# KiCad board Lon6Main.kicad_pcb (continued)
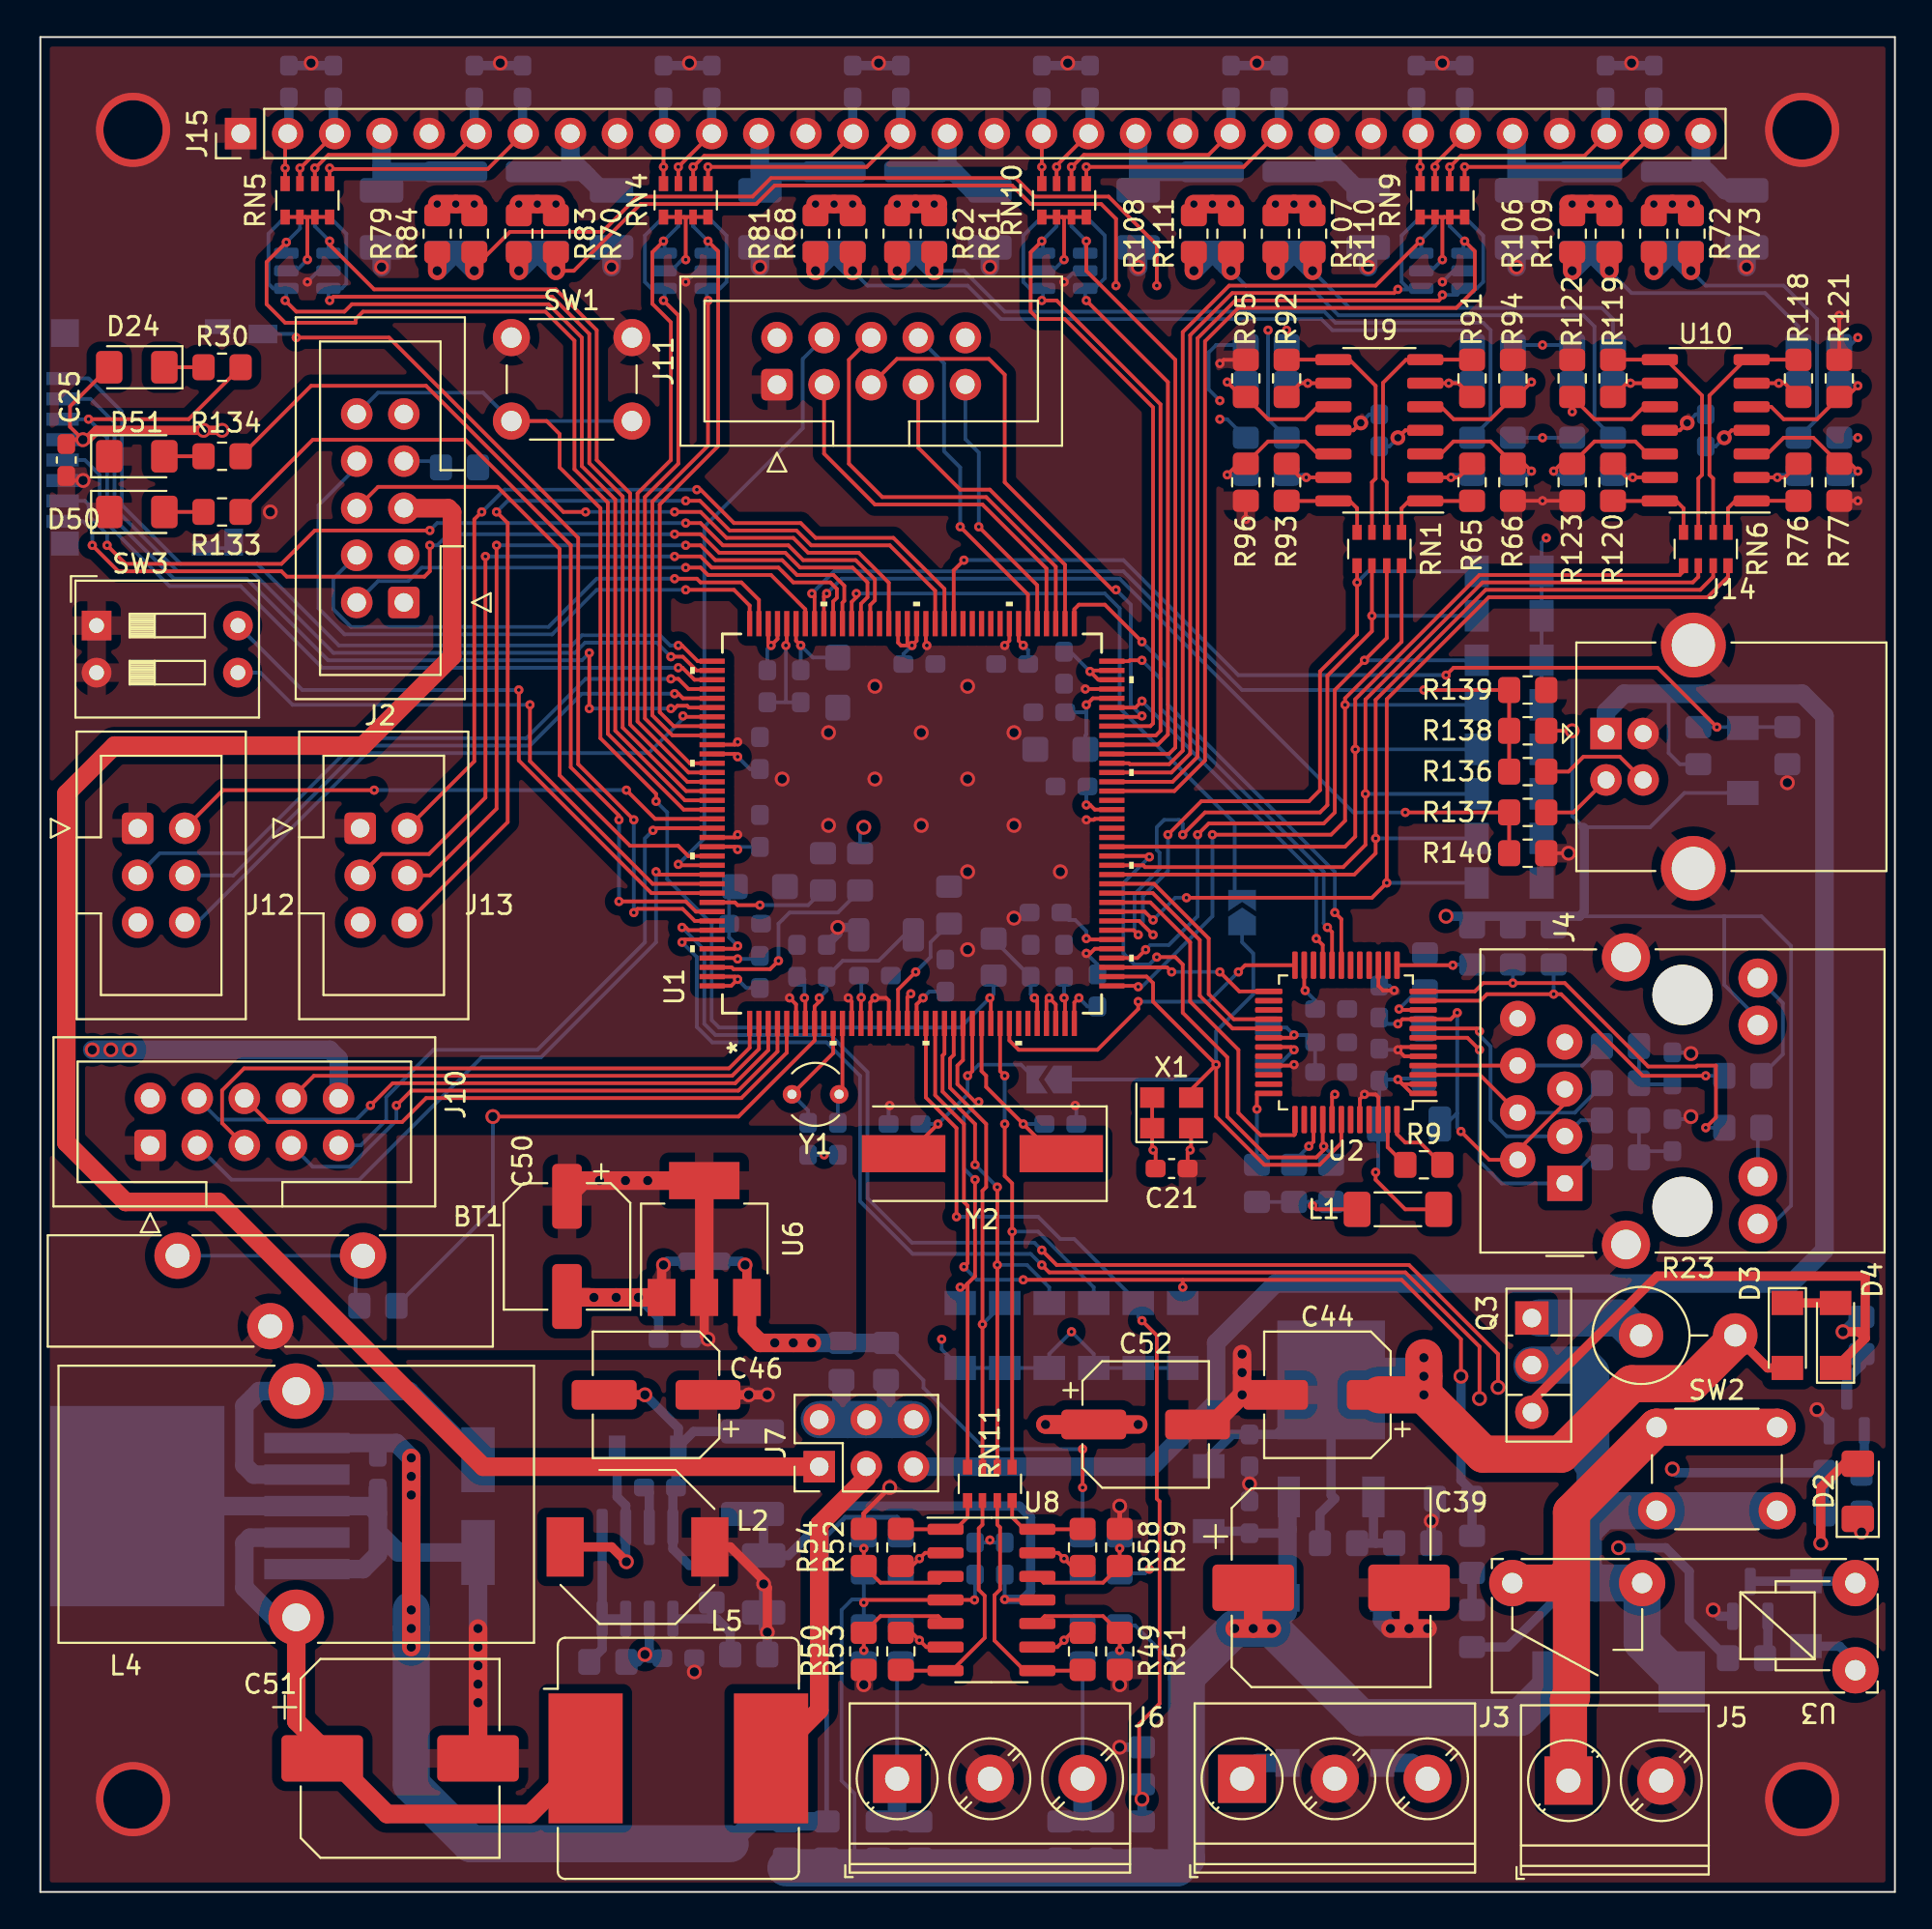
[diagram p0: board, top side]
## Routing (per net, layer and track width the routed paths; a pad name or vN(x,y) marks a point on that pad's centre or on a via; arc(x,y) is an arc through that point) (continued)
/C_SENSE_PORT2: length 49.3
  Top w0.2: U1.50 59.47,55.35 59.57,55.25 70.25,55.25 71.45,56.45 v1(71.45,59.2) 71.45,64.28 77.77,70.6 89.1,70.6 89.4,70.9 RN6.6
  Bottom w0.2: D16.2 v1(71.45,59.2)
/C_SENSE_PORT3: length 48.2
  Top w0.2: RN6.5 88.6,71.2 88.4,71 77.6,71 70.9,64.3 v1(70.9,61.6) 70.9,56.9 70.35,56.35 U1.52
  Bottom w0.2: v1(70.9,61.6) D17.2
/C_SENSE_PORT4: length 41
  Top w0.2: v1(59.2,48.8) 59.15,48.85 U1.37 ; RN1.8 73.4,67.4 70.35,64.35 v1(70.35,64) 70.35,57.75 69.6,57 v1(63.2,57)
  Bottom w0.2: D10.2 v1(70.35,64) ; v1(59.2,48.8) 59.4,48.8 63.2,52.6 v1(63.2,57)
/C_SENSE_PORT5: length 38.4
  Top w0.2: v1(62.4,57) 63,57.6 69.2,57.6 69.8,58.2 69.8,64.8 72.6,67.6 RN1.7 ; v1(59.6,50.8) 59.15,50.35 U1.40
  Bottom w0.2: D11.2 v1(71.4,66.4) ; v1(59.6,50.8) 59.85,51.05 60.85,51.05 62.4,52.6 v1(62.4,57)
/C_SENSE_PORT6: length 38.3
  Top w0.2: v1(59.2,51.6) 58.95,51.85 U1.43 ; RN1.6 71.8,67.97 69.4,65.57 69.4,58.6 69,58.2 62.8,58.2 v1(61.6,57)
  Bottom w0.2: v1(61.6,57) 61.6,57.6 61.4,57.8 60.6,57.8 60.2,57.4 60.2,56.18 60.35,56.03 60.35,55.15 59,53.8 59,51.8 v1(59.2,51.6) ; D12.2 v1(71.8,68.8)
/C_SENSE_PORT7: length 37.5
  Top w0.2: U1.44 59.25,52.35 v1(60,51.6) ; RN1.5 71,67.8 69,65.8 69,59.4 68.4,58.8 62.6,58.8 v1(60.8,57)
  Bottom w0.2: v1(71,70.6) 71.6,71.2 D13.2 ; v1(60,51.6) 59.45,52.15 59.45,53.68 60.8,55.03 v1(60.8,57)
/CAN_RX: length 35.6
  Top w0.2: v1(34,65.4) 34.4,65.4 34.95,64.85 U1.112
  Bottom w0.2: v1(34,65.4) 29.4,65.4 26.2,62.2 17.2,62.2 11,56 6.44,56 J12.3
/CAN_TX: length 32.6
  Top w0.2: U1.113 34.65,64.35 34.4,64.6 v1(34.2,64.6)
  Bottom w0.2: J12.4 10.39,54.81 10.4,54.8 17.4,61.8 26.4,61.8 29.2,64.6 v1(34.2,64.6)
/CAN_U1: length 33.3
  Top w0.2: U1.115 34.65,63.35 34.6,63.4 v1(34.65,63.4)
  Bottom w0.2: v1(34.65,63.4) 34.65,63.25 32.8,61.4 17.6,61.4 8.47,52.27 J12.6
/CAN_U2: length 29.9
  Top w0.2: U1.126 33.15,57.85 v1(31.6,59.4) ; v1(18,59.4) 9.84,59.4 J12.2
  Bottom w0.2: v1(31.6,59.4) v1(18,59.4)
/CLK_50MHZ: length 40
  Top w0.2: X1.3 62.05,43.25 v1(63.4,44.6) ; U1.38 57.78,49.35 59.65,49.35 60,49 60,48 v1(63.4,44.6) ; v1(63.4,44.6) 63.4,41.8 66,39.2 68.98,39.2 70.15,40.37 U2.42
  Bottom w0.2: JP2.1 62.6,43.8 v1(63.4,44.6) 63.4,46.4 65.4,48.4 65.4,50.6 64.8,51.2 JP1.1
/ETH_CRS_DV: length 19.7
  Top w0.2: U1.46 59.85,53.35 62,51.2 62,48 64.6,45.4 64.6,42 65.8,40.8 67.6,40.8 67.65,40.85 U2.37
/ETH_MDC: length 18.7
  Top w0.2: v1(59.2,48) 59.2,47.6 57,45.4 52.76,45.4 52.25,45.91 U1.29 ; U2.24 64.96,49.96 v1(64.6,49.6)
  Bottom w0.2: v1(64.6,49.6) 63,48 v1(59.2,48)
/ETH_MDIO: length 9
  Top w0.2: U1.39 60.75,49.85 v1(61,49.6) ; U2.25 64.65,48.55 v1(63.6,49.6)
  Bottom w0.2: v1(61,49.6) v1(63.6,49.6)
/ETH_RESET: length 29.9
  Top w0.2: U1.51 59.75,55.85 v1(59.8,55.8) ; v1(60.2,50.4) 61.2,50.4 61.6,50 61.6,47.4 64,45 64,41.8 66.2,39.6 68.8,39.6 69.2,40 v1(69.2,40.2) 69.15,40.25 U2.40
  Bottom w0.2: v1(69.2,40.2) 69.6,39.8 R6.2 ; v1(59.8,55.8) 58.4,54.4 58.4,50.6 59,50 59.8,50 v1(60.2,50.4)
/ETH_RXD0: length 13.2
  Top w0.2: U1.47 59.99,53.85 62.52,51.32 62.52,48.32 64.28,46.55 U2.29
/ETH_RXD1: length 13.2
  Top w0.2: U1.48 60.05,54.35 63,51.4 63,48.4 64.35,47.05 U2.28
/ETH_TXD0: length 22.3
  Top w0.2: U1.72 58.69,66.35 58.74,66.4 v1(59.4,66.4) ; v1(69.4,52) 69.65,51.75 U2.20
  Bottom w0.2: v1(59.4,66.4) 60.4,65.4 60.4,63.8 69.2,55 69.2,52.2 v1(69.4,52)
/ETH_TXD1: length 27.2
  Top w0.2: U2.19 70.15,52.45 v1(69.8,52.8) ; U1.73 55.75,69.15 56,69.4 57.4,69.4 v1(59.4,67.4)
  Bottom w0.2: v1(69.8,52.8) 69.8,55 60.8,64 60.8,66 v1(59.4,67.4)
/ETH_TXEN: length 20
  Top w0.2: U1.67 59.05,63.85 v1(59.4,64.2) ; U2.21 69.15,51.05 v1(68.8,51.4)
  Bottom w0.2: v1(59.4,64.2) 68.8,54.8 v1(68.8,51.4)
/Ethernet/L0: length 19.8
  Top w0.2: U2.11 77.65,48.05 78,48.4 v1(81.6,48.4) 82,48.4 86.4,44 v1(89.8,44)
  Bottom w0.2: R33.1 v1(81.6,48.4) ; R13.1 v1(89.8,44)
/Ethernet/L1: length 23.4
  Top w0.2: v1(89.8,41.2) 90.35,41.75 90.35,44.55 89.34,44.55 89.29,44.5 86.7,44.5 82.2,49 v1(79.4,49) 77.8,49 77.35,48.55 U2.12
  Bottom w0.2: R14.1 v1(89.8,41.2) ; R55.1 v1(79.4,49)
/Ethernet/L2: length 4.1
  Top w0.2: U2.13 v1(76.16,49.96)
  Bottom w0.2: R56.1 76.2,50 v1(76.16,49.96)
/Ethernet/RD+: length 11.2
  Top w0.2: U2.3 77.62,44.05 J4.4
  Bottom w0.2: R11.2 84.2,43.47 82.74,42.01 J4.4
/Ethernet/RD-: length 10.1
  Top w0.2: U2.4 J4.6
  Bottom w0.2: J4.6 83.15,44.55 R12.2
/Ethernet/TD+: length 17
  Top w0.2: U2.7 76.95,46.05 v1(77.6,45.4)
  Bottom w0.2: R15.2 83.6,39.6 J4.1 78.8,38.2 77.6,39.4 v1(77.6,45.4)
/Ethernet/TD-: length 14.9
  Top w0.2: U2.8 77.45,46.55 v1(77.6,46.4)
  Bottom w0.2: R16.2 83.06,41.6 J4.3 79.06,40.74 78.2,41.6 78.2,45.58 77.6,46.18 v1(77.6,46.4)
/LED1: length 47.3
  Top w0.2: R133.2 14.69,78.29 22.91,78.29 28.6,72.6 28.6,60.63 31.2,58.03 v1(31.2,57.8) ; U1.136 35.35,52.85 34.8,53.4 v1(31.2,53.4)
  Bottom w0.2: v1(31.2,57.8) v1(31.2,53.4)
/LED2: length 49.2
  Top w0.2: R134.2 14.6,81.2 20.8,81.2 29,73 29,60.8 v1(32,57.8) ; U1.137 35.29,52.35 34.63,53 32.2,53 v1(32,52.8)
  Bottom w0.2: v1(32,57.8) v1(32,52.8)
/MCO1: length 34.7
  Top w0.2: U1.97 43.75,69.55 44,69.8 v1(44,70)
  Bottom w0.2: JP1.2 64.4,53.92 64.4,57.62 58.2,63.82 58.2,69.2 57.4,70 v1(44,70)
/PIN_CLK0: length 14.7
  Top w0.2: RN9.5 v1(76.8,93) 85.2,93 J15.31
  Bottom w0.2: RN9.5 v1(76.8,93)
  Bottom w0.5: C78.1 J15.31
/PIN_CLK1: length 6.2
  Top w0.2: RN9.7 v1(75.2,93) 75.2,93.16 J15.27
  Bottom w0.2: RN9.7 v1(75.2,93)
  Bottom w0.5: C76.1 76.8,94.84 J15.27
/PIN_CLK2: length 14.8
  Top w0.2: RN10.5 v1(56.4,93) 64.88,93 J15.23
  Bottom w0.2: RN10.5 v1(56.4,93)
  Bottom w0.5: J15.23 66.8,94.92 C69.1
/PIN_CLK3: length 6.3
  Top w0.2: RN10.7 v1(54.8,93) 54.8,93.08 J15.19
  Bottom w0.2: RN10.7 v1(54.8,93)
  Bottom w0.5: C77.1 56.6,94.88 J15.19
/PIN_CLK4: length 14.9
  Top w0.2: RN4.5 v1(36,93) 44.56,93 J15.15
  Bottom w0.2: RN4.5 v1(36,93)
  Bottom w0.5: J15.15 46.4,94.84 C68.1
/PIN_CLK5: length 6.3
  Top w0.2: J15.11 v1(34.4,93) RN4.7
  Bottom w0.2: RN4.7 v1(34.4,93)
  Bottom w0.5: C60.1 J15.11
/PIN_CLK6: length 14.7
  Top w0.2: J15.7 24.13,92.89 15.6,92.89 ; RN5.5 v1(15.6,92.94)
  Bottom w0.2: 15.6,92.24 v1(15.6,92.94)
  Bottom w0.5: J15.7 26,94.84 C56.1
/PIN_CLK7: length 6.2
  Top w0.2: 14,92.92 J15.3 ; RN5.7 v1(14,92.94)
  Bottom w0.2: 14,92.24 v1(14,92.94)
  Bottom w0.5: J15.3 15.8,94.88 C65.1
/PIN_DATA0: length 13
  Top w0.2: J15.30 83.26,93.6 76.6,93.6 v1(76,93) RN9.6
  Bottom w0.2: RN9.6 v1(76,93)
  Bottom w0.5: J15.30 84.4,94.86 C70.1
/PIN_DATA1: length 5.6
  Top w0.2: J15.26 74.4,94.7 v1(74.4,93) RN9.8
  Bottom w0.2: RN9.8 v1(74.4,93)
  Bottom w0.5: C79.1 74.2,94.9 J15.26
/PIN_DATA2: length 13
  Top w0.2: J15.22 62.99,93.65 56.27,93.65 55.62,93 v1(55.6,93) RN10.6
  Bottom w0.2: RN10.6 v1(55.6,93)
  Bottom w0.5: J15.22 64.2,94.86 C75.1
/PIN_DATA3: length 5.6
  Top w0.2: J15.18 54,94.78 v1(54,93) RN10.8
  Bottom w0.2: RN10.8 v1(54,93)
  Bottom w0.5: J15.18 54,94.82 C80.1
/PIN_DATA4: length 13.1
  Top w0.2: RN4.6 v1(35.2,93) 35.8,93.6 42.62,93.6 J15.14
  Bottom w0.2: RN4.6 v1(35.2,93)
  Bottom w0.5: J15.14 43.8,94.82 C57.1
/PIN_DATA5: length 5.6
  Top w0.2: J15.10 33.6,94.74 v1(33.6,93) RN4.8
  Bottom w0.2: RN4.8 v1(33.6,93)
  Bottom w0.5: J15.10 33.6,94.86 C66.1
/PIN_DATA6: length 13
  Top w0.2: RN5.6 v1(14.8,92.94) 14.82,92.94 15.53,93.65 22.35,93.65 J15.6
  Bottom w0.2: 14.8,92.24 v1(14.8,92.94)
  Bottom w0.5: J15.6 23.4,94.9 C59.1
/PIN_DATA7: length 5.5
  Top w0.2: J15.2 13.2,94.66 13.2,92.89 ; RN5.8 v1(13.2,92.94)
  Bottom w0.2: 13.2,92.24 v1(13.2,92.94)
  Bottom w0.5: C67.1 13.4,94.86 J15.2
/PIN_PWR0: length 6.8
  Bottom w1: 90,92.6 89.86,92.74 L7.2 ; 90,92.6 89.54,93.06 J15.32 ; 90,92.6 90.86,91.74 C58.1
/PIN_PWR1: length 7.3
  Bottom w1: C72.1 79.6,93 ; 79.6,93 79.6,94.58 J15.28 ; 79.6,93 79.86,92.74 L11.2
/PIN_PWR2: length 6.9
  Bottom w1: J15.24 69.2,94.78 69.2,93.6 70.1,92.7 ; L12.2 70.06,92.74 70.1,92.7 ; 70.1,92.7 71.06,91.74 C73.1
/PIN_PWR3: length 7.2
  Bottom w1: 59.2,92.6 59.2,94.66 J15.20 ; 59.2,92.6 C74.1 ; 59.2,92.6 59.34,92.74 L13.2
/PIN_PWR4: length 6.7
  Bottom w1: 49.3,92.7 50.26,91.74 C55.1 ; 49.3,92.7 48.9,93.1 J15.16 ; 49.3,92.7 49.26,92.74 L6.2
/PIN_PWR5: length 7.1
  Bottom w1: 38.8,92.8 38.8,94.74 J15.12 ; 38.8,92.8 38.86,92.74 L8.2 ; 38.8,92.8 C62.1
/PIN_PWR6: length 7.1
  Bottom w1: 29.5,92.5 28.58,93.42 J15.8 ; 29.5,92.5 29.26,92.74 L9.2 ; 29.5,92.5 30.26,91.74 C63.1
/PIN_PWR7: length 7.2
  Bottom w1: C64.1 18.4,93 ; 18.4,93 18.66,92.74 L10.2 ; 18.4,93 18.4,94.78 J15.4
/PORT_CLK0: length 48.4
  Top w0.2: v1(75.6,86.1) 75.6,86 75.4,85.8 64.43,85.8 62.4,83.77 62.4,61.2 61.05,59.85 U1.59
  Bottom w0.2: v1(75.6,86.1) 76.39,86.1 U13.3 77.45,86.45 77.8,86.8 77.8,89.3 RN7.5
/PORT_CLK1: length 43.9
  Top w0.2: v1(74.4,89) 72,86.6 64.1,86.6 61.6,84.1 61.6,61.53 60.87,60.8 58.75,60.8 58.69,60.85 U1.61
  Bottom w0.2: RN7.7 75.2,89.8 v1(74.4,89) 74.46,88.94 U13.6
/PORT_CLK2: length 34.2
  Top w0.2: v1(56.4,85.8) 60.8,81.4 60.8,62.4 60.25,61.85 U1.63
  Bottom w0.2: RN8.5 57.4,89.3 57.4,87 56.85,86.45 U14.3 56.34,85.86 v1(56.4,85.8)
/PORT_CLK3: length 34.4
  Top w0.2: v1(54,89) 53.4,88.4 53.4,85.2 53.8,84.8 55.23,84.8 60,80.03 60,63 59.85,62.85 U1.65
  Bottom w0.2: U14.6 54.06,88.94 v1(54,89) 54.8,89.8 RN8.7
/PORT_CLK4: length 33.1
  Top w0.2: U1.117 34.08,62.35 33,63.43 33,74.97 36,77.97 v1(36,85.8)
  Bottom w0.2: RN2.5 37,89.3 37,86.8 36.65,86.45 U11.3 35.94,85.86 v1(36,85.8)
/PORT_CLK5: length 34.8
  Top w0.2: v1(33.6,89) 33,88.4 33,85.62 34,84.62 34,77.2 32.2,75.4 32.2,63.1 34.95,60.35 U1.121
  Bottom w0.2: RN2.7 34.4,89.8 v1(33.6,89) 33.66,88.94 U11.6
/PORT_CLK6: length 48.8
  Top w0.2: U1.123 34.82,59.35 31.4,62.77 31.4,75.23 29.6,77.03 29.6,84 27.6,86 15.8,86 v1(15.6,85.8)
  Bottom w0.2: v1(15.6,85.8) 15.54,85.86 U12.3 16.25,86.45 16.5,86.7 16.5,89.4 RN3.5
/PORT_CLK7: length 53.3
  Top w0.2: v1(13.26,88.94) 12.2,87.88 12.2,85.6 13.2,84.6 17,84.6 17,84.8 17.4,85.2 27.23,85.2 28.8,83.63 28.8,76.7 30.6,74.9 30.6,62.44 34.69,58.35 U1.125
  Bottom w0.2: U12.6 v1(13.26,88.94) 14,89.67 RN3.7
/PORT_DATA0: length 49.2
  Top w0.2: v1(76.8,89) 77.35,88.45 77.35,86.4 76.35,85.4 64.6,85.4 62.8,83.6 62.8,61 61.15,59.35 U1.58
  Bottom w0.2: U13.1 76.74,88.94 v1(76.8,89) 76,89.8 RN7.6
/PORT_DATA1: length 45.8
  Top w0.2: v1(73.2,86.4) 73,86.2 64.27,86.2 62,83.93 62,61.37 60.99,60.35 U1.60
  Bottom w0.2: v1(73.2,86.4) 74.41,86.4 U13.4 73.75,86.45 73.4,86.8 73.4,89.3 RN7.8
/PORT_DATA2: length 35.2
  Top w0.2: v1(56.4,89) 56.4,87.4 61.2,82.6 61.2,61.7 60.85,61.35 U1.62
  Bottom w0.2: U14.1 56.34,88.94 v1(56.4,89) 55.6,89.8 RN8.6
/PORT_DATA3: length 34.8
  Top w0.2: U1.64 60.15,62.35 60.4,62.6 60.4,80.2 54.8,85.8 v1(54,85.8)
  Bottom w0.2: RN8.8 53,89.3 53,86.8 53.35,86.45 U14.4 54.06,85.86 v1(54,85.8)
/PORT_DATA4: length 32.4
  Top w0.2: v1(36,89) 36.55,88.45 36.55,77.95 33.4,74.8 33.4,63.6 34.15,62.85 U1.116
  Bottom w0.2: RN2.6 35.2,89.8 v1(36,89) 35.94,88.94 U11.1
/PORT_DATA5: length 34
  Top w0.2: v1(33.6,85.8) 34.4,85 34.4,77 32.6,75.2 32.6,63.27 35.02,60.85 U1.120
  Bottom w0.2: v1(33.6,85.8) 33.66,85.86 U11.4 32.95,86.45 32.6,86.8 32.6,89.3 RN2.8
/PORT_DATA6: length 46.5
  Top w0.2: v1(15.6,89) 15.6,88.8 18,86.4 27.8,86.4 30,84.2 30,77.2 31.8,75.4 31.8,62.94 34.89,59.85 U1.122
  Bottom w0.2: U12.1 15.54,88.94 v1(15.6,89) 14.8,89.8 RN3.6
/PORT_DATA7: length 51.6
  Top w0.2: v1(13.2,85.8) 13.8,85.2 16.4,85.2 16.8,85.6 27.4,85.6 29.2,83.8 29.2,76.87 31,75.07 31,62.61 34.76,58.85 U1.124
  Bottom w0.2: RN3.8 12.3,89.4 12.3,86.7 12.55,86.45 U12.4 13.26,85.86 v1(13.2,85.8)
/Power/V_MAIN: length 103.6
  Top w0.2: v1(44.4,15.6) 44.54,15.74 U8.4 v1(50.37,15.74)
  Top w1: C39.1 v2(65.4,14.2) ; v2(65.4,14.2) v2(66.4,14.2) ; v2(65.4,14.2) v2(64.4,14.2)
  Bottom w0.2: C53.1 50.4,15.77 v1(50.37,15.74) ; R45.1 44.4,15.77 ; 44.4,15.77 R43.1 ; 44.4,15.77 43.77,15.77 43.2,15.2 43.2,6 43.9,5.3 43.9,1.3 ; 61.8,11.6 59.03,14.37 R17.1
  Bottom w0.5: D6.1 65.09,19.45 C40.1 67.04,19.34 67.25,19.55
  Bottom w1: R40.1 40.2,1.3 ; 42.5,1.3 42.5,1.7 R39.1 ; v2(66.4,14.2) 67.25,15.05 D5.1 67.25,21.23 U4.3 ; R36.2 45.2,1.4 45.3,1.3
  Bottom w2: 40.2,1.3 61.3,1.3 61.8,1.8 61.8,11.6 v2(64.4,14.2) v2(66.4,14.2) 71.2,9.4 79.78,9.4 D7.1
/PWR_ACU_ENA: length 84.6
  Top w0.2: U1.139 34.75,51.35 v1(34.6,51.2) ; v1(54,33.8) 54.4,33.4 73.6,33.4 77.6,29.4 v2(77.6,26.6)
  In1.Cu w0.5: v2(77.6,26.6) 77.6,24.6 83.65,18.56 v2(85.1,18.56)
  Bottom w0.2: v1(54,33.8) 53.4,34.4 47.03,34.4 44.2,37.23 44.2,44 42.4,45.8 36.23,45.8 35.4,46.63 35.4,50.4 v1(34.6,51.2)
  Bottom w0.5: R19.2 90.95,12.6 88.91,14.64 88.91,17.28 87.64,18.56 v2(85.1,18.56)
/PWR_ACU_LOAD: length 86.1
  Top w0.2: v1(34.6,52) 34.8,52 34.95,51.85 U1.138 ; v1(54,34.6) 54.8,33.8 73.8,33.8 78.6,29 v2(78.6,27.2)
  In1.Cu w0.5: v2(78.6,27.2) 78.6,25.4 81.2,22.8 v2(88,22.8)
  Bottom w0.2: v1(34.6,52) 35.8,50.8 35.8,46.8 36.4,46.2 42.6,46.2 44.6,44.2 44.6,37.4 47,35 53.6,35 v1(54,34.6)
  Bottom w0.5: v2(88,22.8) 88.2,22.6 R20.2 R21.1
/RESET: length 72.3
  Top w0.2: v1(51.2,48.2) 51.25,48.15 U1.27 ; SW1.2 27.3,79.3 28,78.6 28,76.8 30.2,74.6 30.2,62.2 33.2,59.2 v1(33.2,58.8)
  Bottom w0.2: R1.2 51.4,48.4 v1(51.2,48.2) 49.6,46.6 36.6,46.6 36.2,47 36.2,52.2 33.8,54.6 33.8,58.2 v1(33.2,58.8) ; J2.10 18.21,80.83 23.87,80.83 SW1.2 SW1.2
/SD_CLK: length 41.1
  Top w0.2: v1(34.4,66) 34.62,66 35.27,65.35 U1.111
  Bottom w0.2: v1(34.4,66) 15.2,66 10.8,70.4 6.97,70.4 3.2,74.17 3.2,76.4 2.41,77.19 1.66,77.19 1.44,76.97
/SD_CMD: length 55.2
  Top w0.2: v1(34,63.8) 34.2,63.8 34.35,63.95 34.88,63.95 34.98,63.85 U1.114 ; v1(2.6,79.4) 8,79.4 R30.2 ; v1(29.6,63.8) v1(29.6,66.8)
  Bottom w0.2: v1(34,63.8) v1(29.6,63.8) ; v1(29.6,66.8) 29.2,66.4 15.52,66.4 11.12,70.8 7.2,70.8 3.6,74.4 3.6,78.4 2.61,79.39 1.66,79.39 1.44,79.17
/SD_D0: length 50.6
  Top w0.2: v1(3.6,72.6) 4.6,71.6 13,71.6 14.8,73.4 v1(21,73.4) ; v1(34.8,73.8) 35.6,73.8 36.8,72.6 40.33,72.6 41.13,71.8 43.97,71.8 45,70.77 45,69.63 44.75,69.38 U1.95
  Bottom w0.2: v1(21,73.4) 21.4,73.8 v1(34.8,73.8) ; v1(3.6,72.6) 3.6,73.2 2.6,74.2 2.6,74.8 2.41,75 J1.7
/SD_D1: length 50.3
  Top w0.2: U1.96 44.25,69.45 44.6,69.8 44.6,70.6 43.8,71.4 40.97,71.4 40.17,72.2 36.6,72.2 35.6,73.2 v1(34.2,73.2) ; v1(21,72.6) 21,71.2 20.71,70.91 13.29,70.91 13,71.2 4.2,71.2 v1(2.8,72.6)
  Bottom w0.2: v1(2.8,72.6) 2.8,73.4 2.31,73.89 J1.8 ; v1(34.2,73.2) 22,73.2 21.4,72.6 v1(21,72.6)
/SD_D2: length 44.6
  Top w0.2: v1(34.4,67.2) 34.6,67.2 35.45,66.35 U1.109
  Bottom w0.2: 1.44,81.38 1.66,81.59 2.61,81.59 4.4,79.8 4.4,74.77 7.57,71.6 11.7,71.6 16.1,67.2 28.66,67.2 29.21,67.75 33.41,67.75 33.96,67.2 v1(34.4,67.2)
/SD_D3: length 44.1
  Top w0.2: U1.110 35.38,65.85 34.64,66.59 v1(34,66.59)
  Bottom w0.2: 1.44,80.28 1.66,80.5 2.7,80.5 4,79.2 4,74.6 7.4,71.2 11.4,71.2 15.8,66.8 28.82,66.8 29.37,67.35 33.24,67.35 v1(34,66.59)
/SD_DET_A: length 41.5
  Top w0.2: U1.93 45.75,70.58 44.13,72.2 41.4,72.2 40.6,73 37,73 35.6,74.4 v1(34.2,74.4) ; v1(13.8,83.8) 18.8,83.8 28.2,74.4 v1(29.4,74.4)
  Bottom w0.2: v1(13.8,83.8) 13.61,84 J1.10 ; v1(34.2,74.4) v1(29.4,74.4)
/SPI2_INT: length 17.9
  Top w0.2: v1(49.6,73.6) 53.25,69.95 U1.78
  Bottom w0.2: J11.8 48.73,82.41 48.73,77.67 49.6,76.8 v1(49.6,73.6)
/SPI2_MISO: length 17.1
  Top w0.2: J11.7 47.34,77.86 49.6,75.6 51.2,75.6 55.25,71.55 U1.74
/SPI2_MOSI: length 23.8
  Top w0.2: J11.6 43.6,82.6 43.6,77 45.4,75.2 51,75.2 54.75,71.45 U1.75
/SPI2_NSS: length 33.5
  Top w0.2: U1.131 34.45,55.35 v1(34.4,55.4)
  Bottom w0.2: J11.4 41.11,82.65 41.11,78.91 35.8,73.6 35.8,56.8 v1(34.4,55.4)
/SPI2_SCK: length 31.4
  Top w0.2: v1(59.4,63.4) 59.35,63.35 U1.66 ; v1(58,70.2) 57.8,70.2 52,76 52,81.8 51.15,82.65 46.19,82.65 J11.5
  Bottom w0.2: v1(58,70.2) 58.8,69.4 58.8,64 v1(59.4,63.4)
/SPI2_U1: length 21.2
  Top w0.2: J11.3 42.26,77.54 45,74.8 50.8,74.8 54.25,71.35 U1.76
/SPI2_U2: length 14.5
  Top w0.2: v1(50.6,73.6) 53.75,70.45 U1.77
  Bottom w0.2: v1(50.6,73.6) 50.6,77.6 49.88,78.32 J11.9
/SPI4_INT: length 27.7
  Top w0.2: U1.2 38.75,45.44 37.3,44 14.75,44 J10.8
/SPI4_MISO: length 31.2
  Top w0.2: U1.4 39.75,45.31 37.63,43.2 20,43.2 v1(19.2,42.4)
  Bottom w0.2: v1(19.2,42.4) 19.2,41.6 16.7,39.1 14.69,39.1 J10.7
/SPI4_MOSI: length 32.9
  Top w0.2: J10.6 12.28,41.51 19.51,41.51 20.8,42.8 37.8,42.8 40.25,45.25 U1.5
/SPI4_NSS: length 34.3
  Top w0.2: U1.3 39.25,45.38 37.47,43.6 19,43.6 v1(17.8,42.4)
  Bottom w0.2: v1(17.8,42.4) 17.04,41.64 9.61,41.64 J10.4
/SPI4_SCK: length 34.2
  Top w0.2: U1.1 38.25,45.51 37.14,44.4 10.99,44.4 9.8,43.21 9.8,41.45 J10.5